# Altium PCB Kojiki 2.PcbDoc (part 1 of 2)
Units mil, origin at the board's own origin, x right, y up, seen from the top; angles counter-clockwise.
Board outline 6000 x 4000 mil, 4 copper layers (Top Layer, Int1 (GND), Int2 (GND), Bottom Layer), stack 53.912 mil thick; 242 components, 161 nets, 893 pads, 0 vias.
Unrouted connection lines stored in the file: 523.
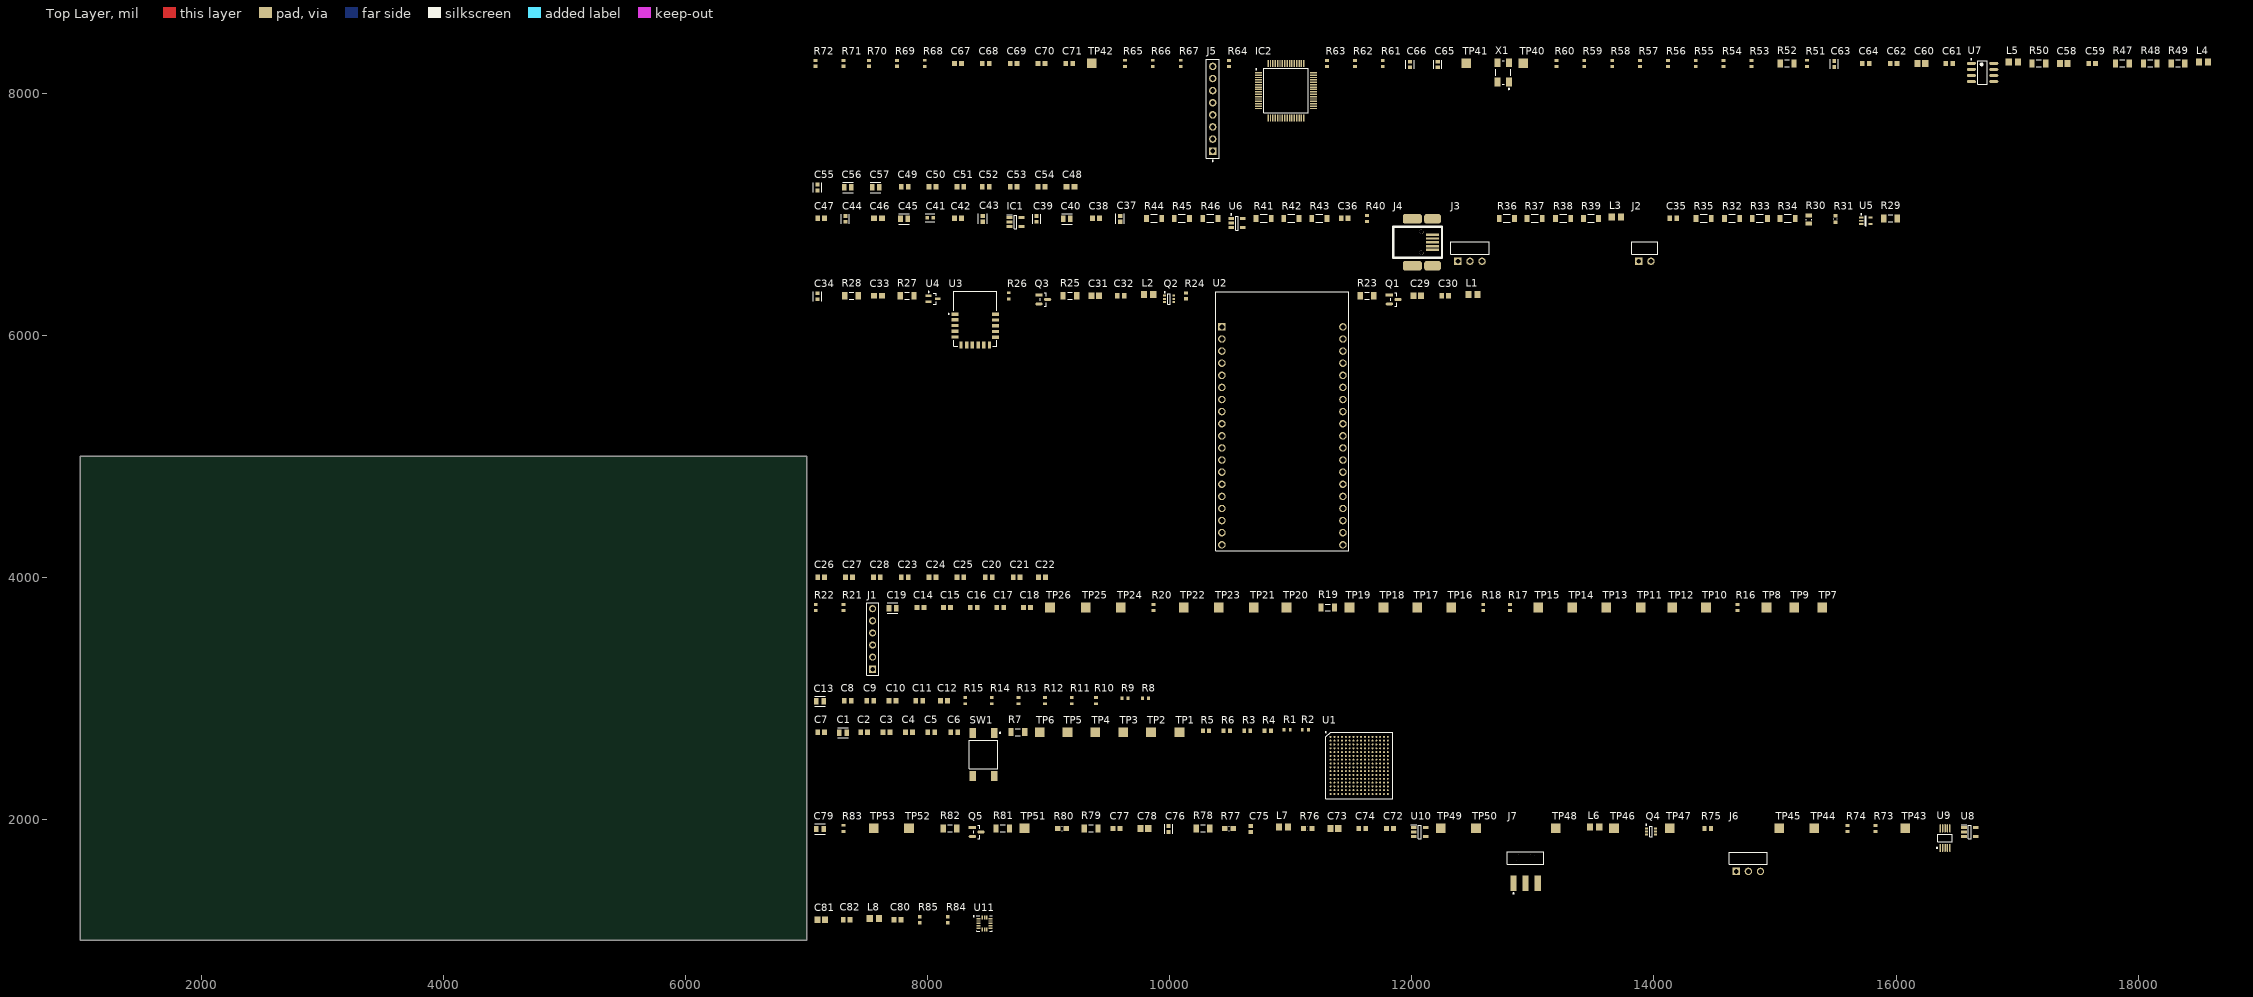
[diagram p0: Top Layer view]
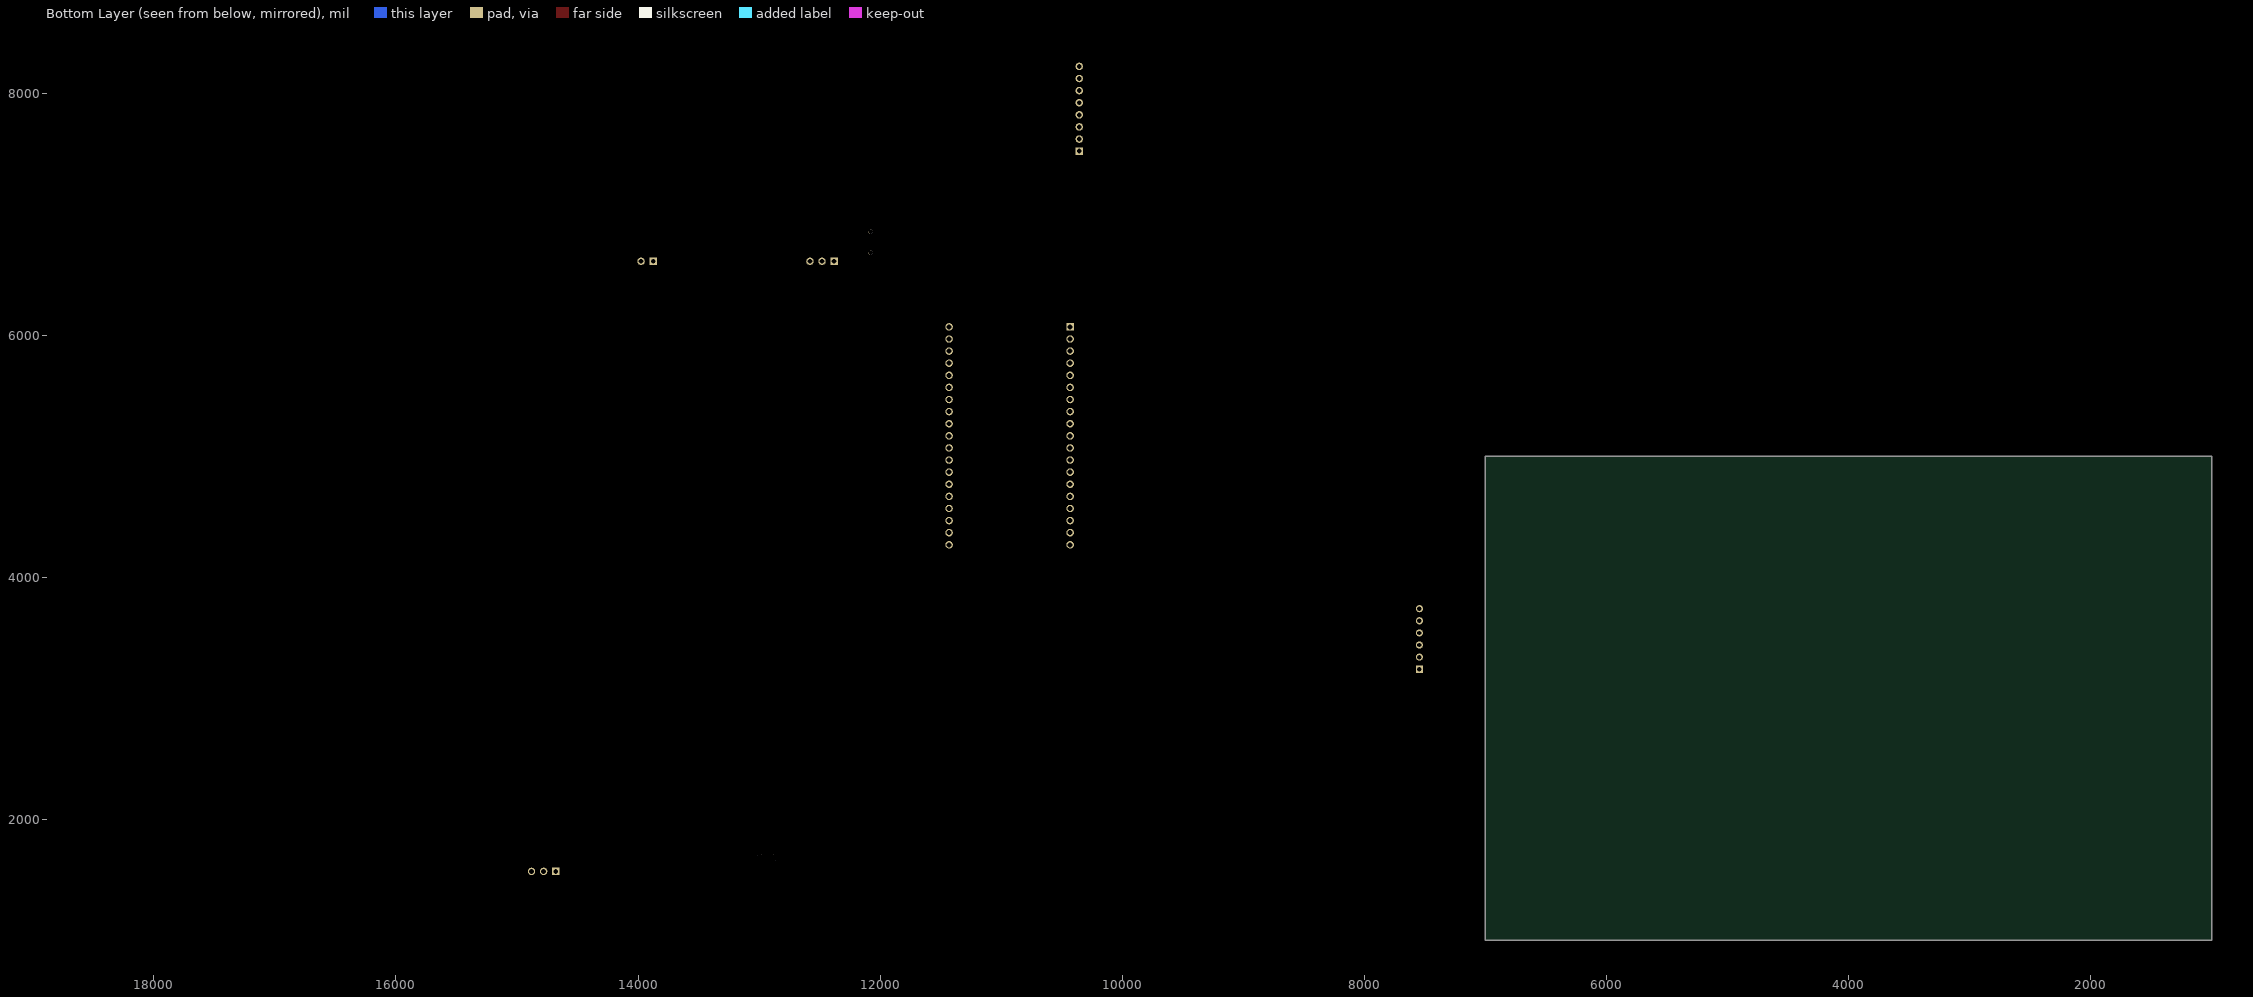
[diagram p1: Bottom Layer view, seen from below]
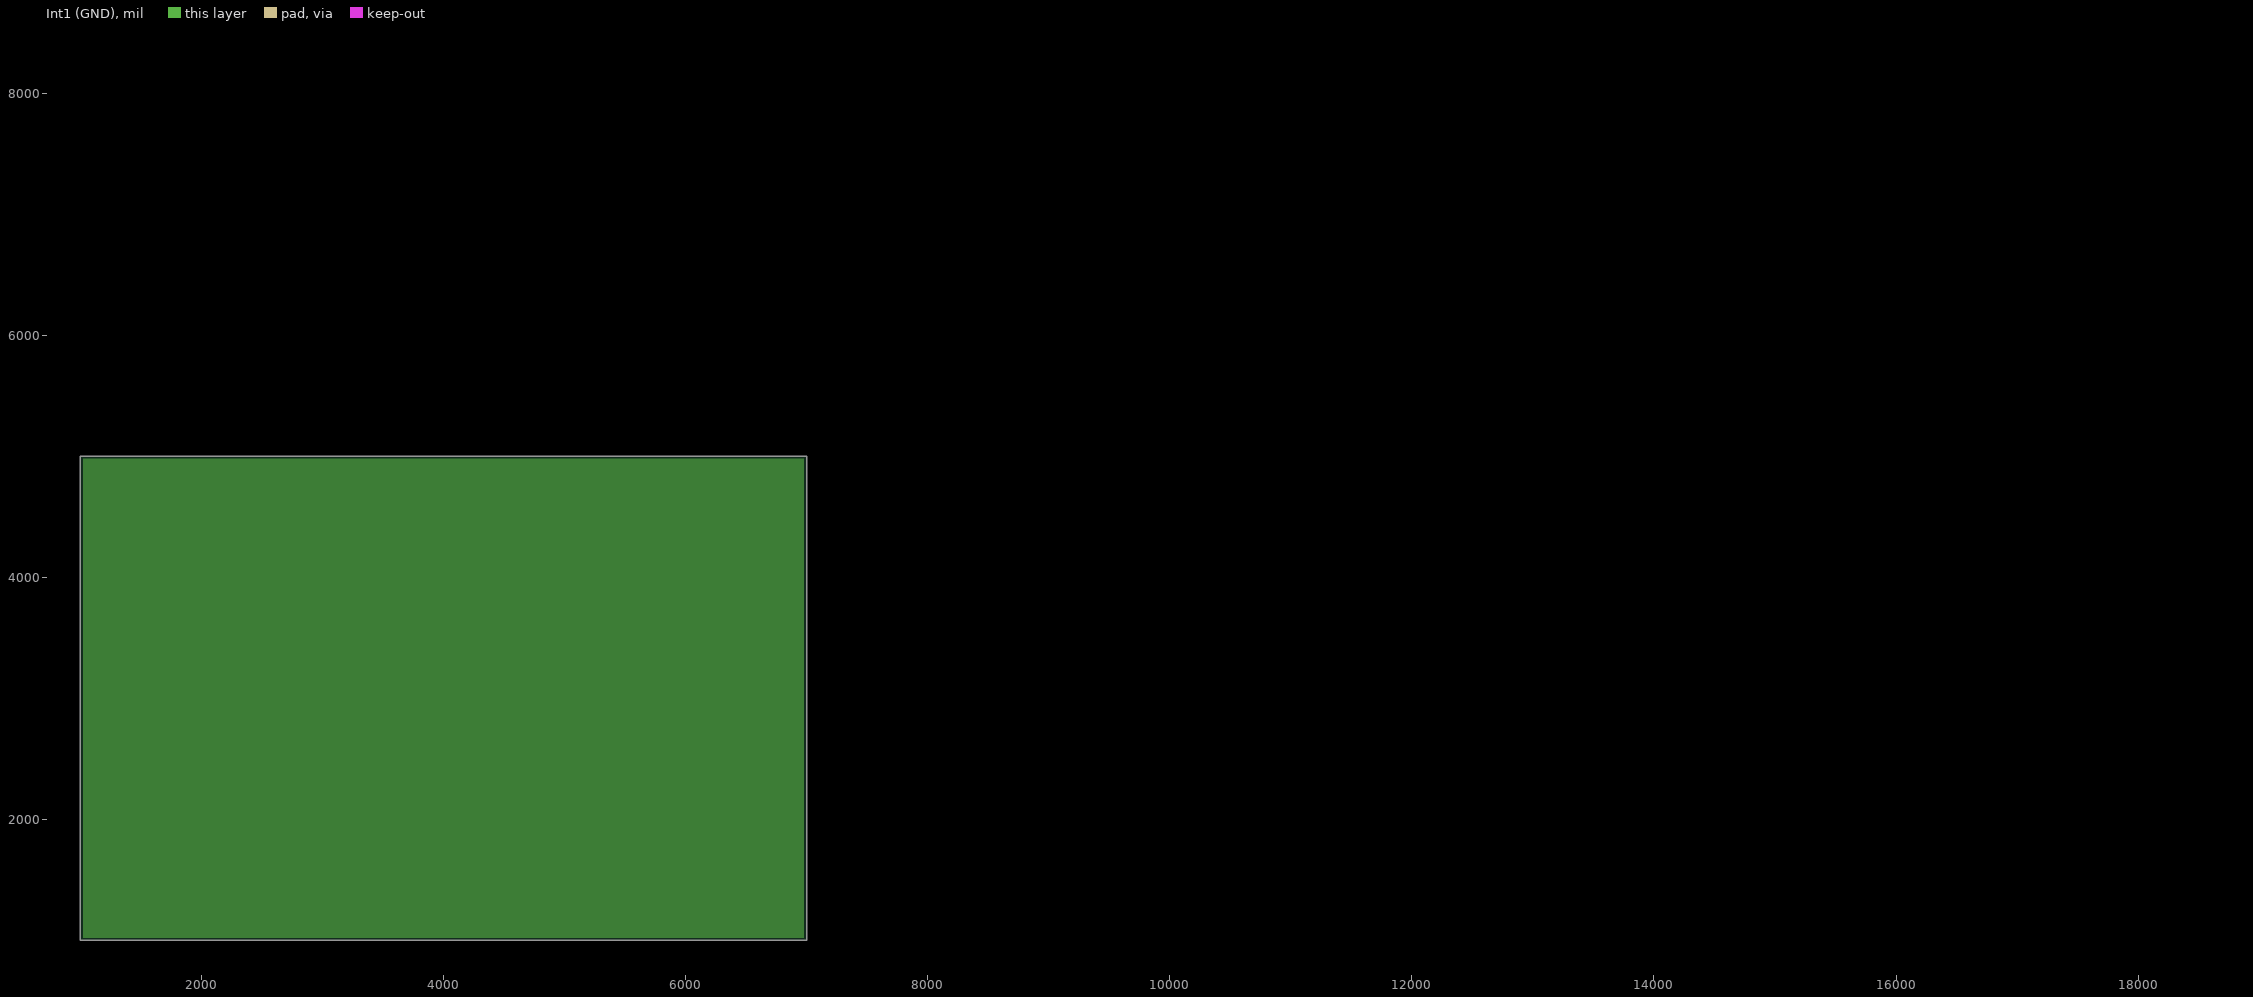
[diagram p2: Int1 (GND), clearances drawn from the general rule]
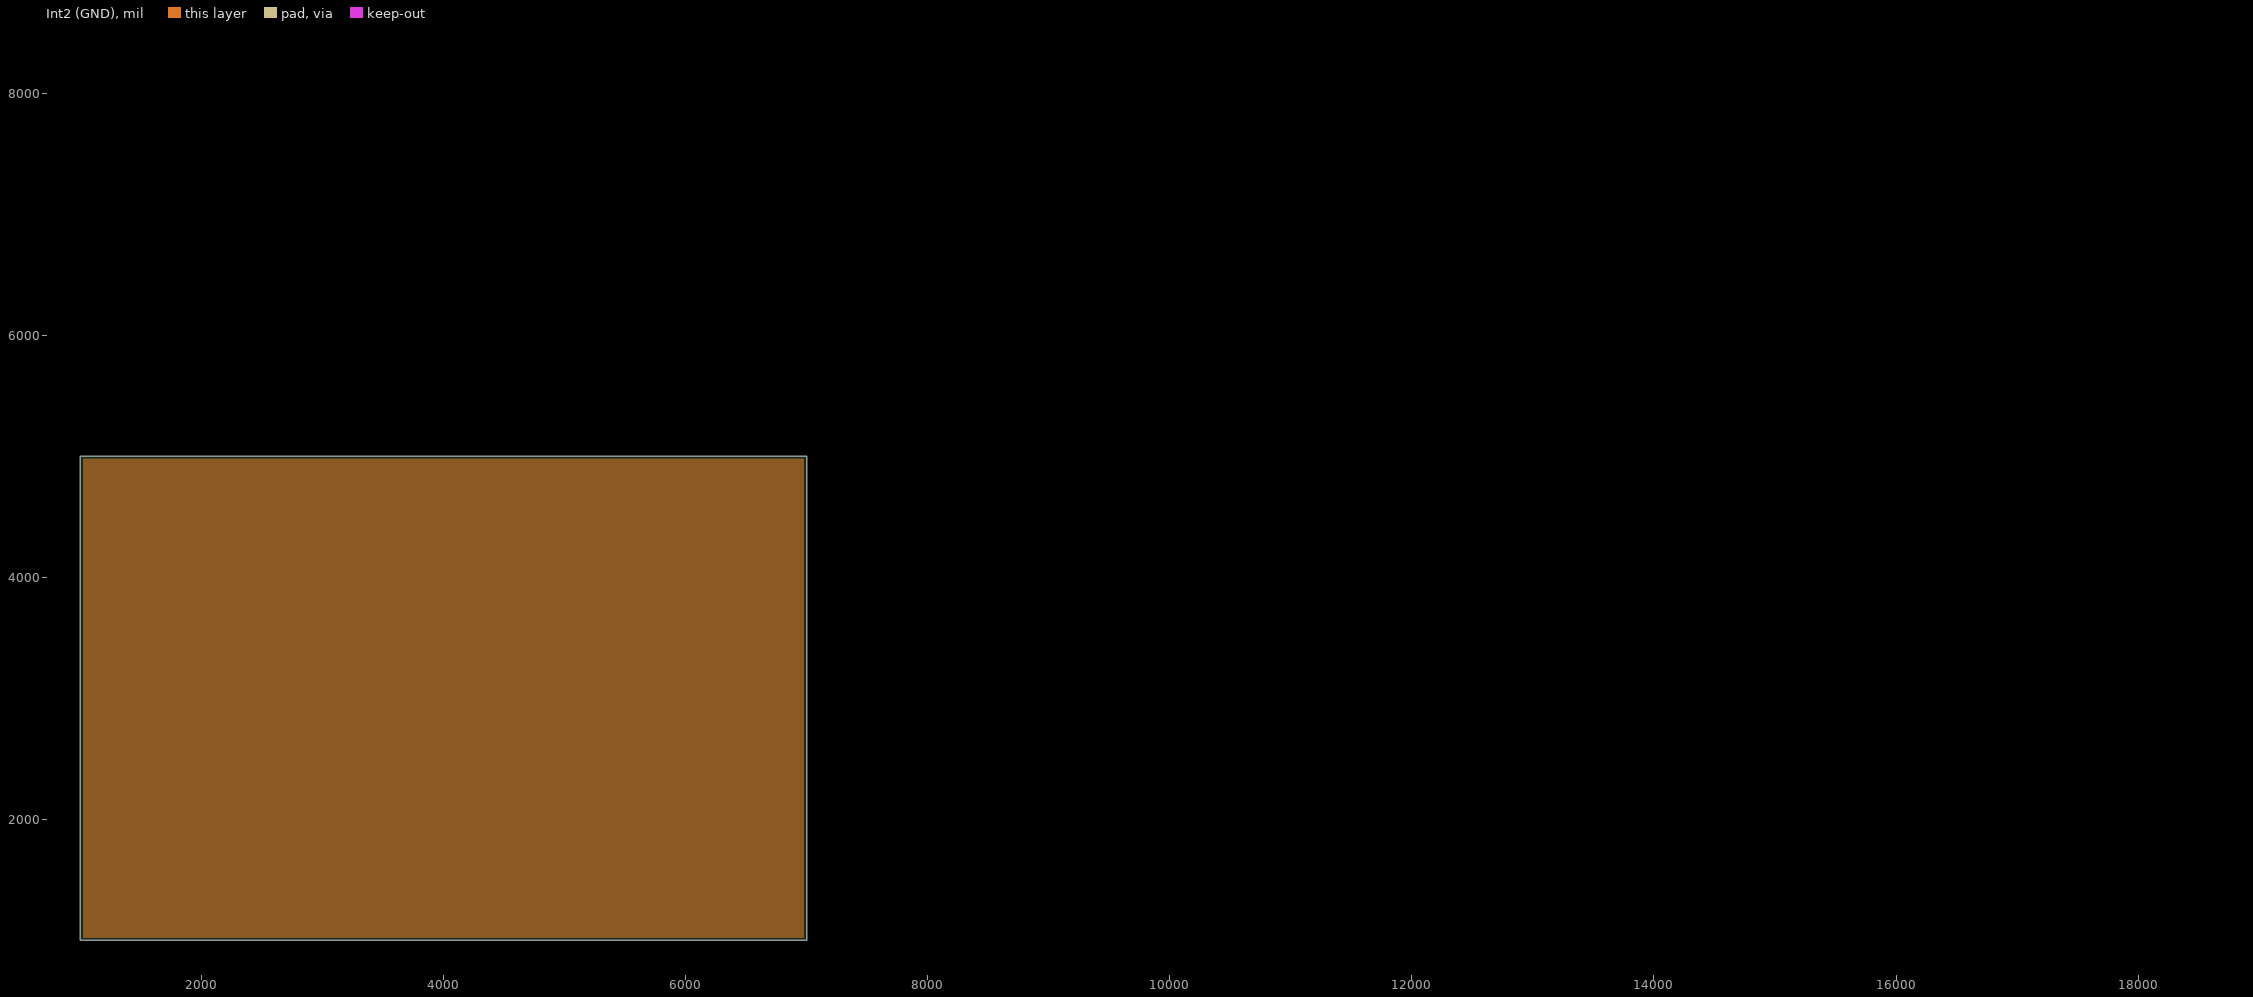
[diagram p3: Int2 (GND), clearances drawn from the general rule]

## Layer stack, top to bottom
Top Solder: solder mask 1, SM-001, Dk 4
Top Layer: signal copper 1.378
Dielectric 1: prepreg 5.1, PP-017, Dk 4.3
Dielectric 2: prepreg 5.1, PP-017, Dk 4.3
Int1 (GND): plane copper 1.378
Dielectric 3: core 28, Core-039, Dk 4.8
Int2 (GND): plane copper 1.378
Dielectric 4: prepreg 5.1, PP-017, Dk 4.3
Dielectric 5: prepreg 5.1, PP-017, Dk 4.3
Bottom Layer: signal copper 1.378
Bottom Solder: solder mask 1, SM-001, Dk 4

## Board outline
1000,1000 7000,1000 7000,5000 1000,5000

## Design rules (kind name [scope] priority, off if disabled: settings)
Clearance [All] p1: gap=10 ignorepadtopadclearanceinfootprint=FALSE except(0: Arc-Hole Track-Hole SMDPad-Hole THPad-Hole Via-Hole Fill-Hole Poly-Hole Region-Hole Text-Hole)
DiffPairsRouting "Schematic Differential Pairs Routing_1" [InNet('D_P')] p1: maxlimit=10 minlimit=10 mostfreqgap=10 toplayer_minwidth=14.33 toplayer_maxwidth=15 toplayer_prefwidth=14.33 bottomlayer_minwidth=14.33 bottomlayer_maxwidth=15 bottomlayer_prefwidth=14.33 impedanceprofiledriven=TRUE impedanceprofileid={8FC0C2BE-2C0A-4D0A-8AD2-7B7F642ADD34} impedanceprofilevalue=90.000000 maxuncoupledlength=500
DiffPairsRouting "Schematic Differential Pairs Routing" [InNet('D_N')] p2: maxlimit=10 minlimit=10 mostfreqgap=10 toplayer_minwidth=14.33 toplayer_maxwidth=15 toplayer_prefwidth=14.33 bottomlayer_minwidth=14.33 bottomlayer_maxwidth=15 bottomlayer_prefwidth=14.33 impedanceprofiledriven=TRUE impedanceprofileid={8FC0C2BE-2C0A-4D0A-8AD2-7B7F642ADD34} impedanceprofilevalue=90.000000 maxuncoupledlength=500
DiffPairsRouting [All] p3: maxlimit=10 minlimit=10 mostfreqgap=10 toplayer_minwidth=15 toplayer_maxwidth=15 toplayer_prefwidth=15 bottomlayer_minwidth=15 bottomlayer_maxwidth=15 bottomlayer_prefwidth=15 maxuncoupledlength=500
PlaneClearance [All] p1: clearance=20
PlaneConnect [All] p1: planeconnectstyle=Relief reliefexpansion=20 reliefentries=4 reliefconductorwidth=10 reliefairgap=10
PolygonConnect [All] p1: connectstyle=Relief reliefconductorwidth=10 reliefentries=4 polygonreliefangle="90 Angle" airgapwidth=10
RoomDefinition usb2jtag [InComponentClass('usb2jtag')] p1: confinementstyle=ConfineIn formatcopy=TRUE lockcomponents=FALSE outline 7045,7420 18615,7420 18615,8395 7045,8395
RoomDefinition Power_Decap [InComponentClass('Power_Decap')] p2: confinementstyle=ConfineIn formatcopy=TRUE lockcomponents=FALSE outline 7045,7165 9290,7165 9290,7375 7045,7375
RoomDefinition DC-DC-Converters [InComponentClass('DC-DC-Converters')] p3: confinementstyle=ConfineIn formatcopy=TRUE lockcomponents=FALSE outline 7045,6520 16055,6520 16055,7115 7045,7115
RoomDefinition bluetooth [InComponentClass('bluetooth')] p4: confinementstyle=ConfineIn formatcopy=TRUE lockcomponents=FALSE outline 7045,4200 12580,4200 12580,6475 7045,6475
RoomDefinition Bank3-4-5_I_O [InComponentClass('Bank3-4-5_I_O')] p5: confinementstyle=ConfineIn formatcopy=TRUE lockcomponents=FALSE outline 7045,3950 9065,3950 9065,4150 7045,4150
RoomDefinition Bank2_I_O [InComponentClass('Bank2_I_O')] p6: confinementstyle=ConfineIn formatcopy=TRUE lockcomponents=FALSE outline 7045,3180 15540,3180 15540,3900 7045,3900
RoomDefinition Bank1_I_O [InComponentClass('Bank1_I_O')] p7: confinementstyle=ConfineIn formatcopy=TRUE lockcomponents=FALSE outline 7045,2920 9885,2920 9885,3130 7045,3130
RoomDefinition Bank0_I_O [InComponentClass('Bank0_I_O')] p8: confinementstyle=ConfineIn formatcopy=TRUE lockcomponents=FALSE outline 7045,2120 11890,2120 11890,2870 7045,2870
RoomDefinition analog_front_end [InComponentClass('analog_front_end')] p9: confinementstyle=ConfineIn formatcopy=TRUE lockcomponents=FALSE outline 7045,1370 16700,1370 16700,2075 7045,2075
RoomDefinition Accelerometer [InComponentClass('Accelerometer')] p10: confinementstyle=ConfineIn formatcopy=TRUE lockcomponents=FALSE outline 7045,1060 8550,1060 8550,1320 7045,1320
RoutingVias [All] p1: holewidth=28 width=50 viastyle="Through Hole" minholewidth=28 minwidth=50 maxholewidth=28 maxwidth=50
SolderMaskExpansion [All] p1: expansion=4 istentingtop=FALSE
Width [All] p1: maxlimit=10 minlimit=10 preferedwidth=10
27 further rules are at their usual default settings.

## Classes and differential pairs
differential pair class USB: D
component class usb2jtag: C58 C59 C60 C61 C62 C63 C64 C65 C66 C67 C68 C69 C70 C71 IC2 J5 L4 L5 R47 R48 R49 R50 R51 R52 R53 R54 R55 R56 R57 R58 R59 R60 R61 R62 R63 R64 R65 R66 R67 R68 R69 R70 R71 R72 TP40 TP41 TP42 U7 X1
component class Power_Decap: C48 C49 C50 C51 C52 C53 C54 C55 C56 C57
component class DC-DC-Converters: C35 C36 C37 C38 C39 C40 C41 C42 C43 C44 C45 C46 C47 IC1 J2 J3 J4 L3 R29 R30 R31 R32 R33 R34 R35 R36 R37 R38 R39 R40 R41 R42 R43 R44 R45 R46 TP30 TP31 TP32 TP33 TP34 TP35 TP36 TP37 TP38 TP39 U5 U6
component class bluetooth: C29 C30 C31 C32 C33 C34 L1 L2 Q1 Q2 Q3 R23 R24 R25 R26 R27 R28 U2 U3 U4
component class Bank3-4-5_I_O: C20 C21 C22 C23 C24 C25 C26 C27 C28
component class Bank2_I_O: C14 C15 C16 C17 C18 C19 J1 R16 R17 R18 R19 R20 R21 R22 TP7 TP8 TP9 TP10 TP11 TP12 TP13 TP14 TP15 TP16 TP17 TP18 TP19 TP20 TP21 TP22 TP23 TP24 TP25 TP26 TP27 TP28 TP29
component class Bank1_I_O: C8 C9 C10 C11 C12 C13 D1 D2 D3 D4 D5 D6 D7 D8 R8 R9 R10 R11 R12 R13 R14 R15
component class Bank0_I_O: C1 C2 C3 C4 C5 C6 C7 R1 R2 R3 R4 R5 R6 R7 SW1 TP1 TP2 TP3 TP4 TP5 TP6 U1
component class analog_front_end: C72 C73 C74 C75 C76 C77 C78 C79 J6 J7 L6 L7 Q4 Q5 R73 R74 R75 R76 R77 R78 R79 R80 R81 R82 R83 TP43 TP44 TP45 TP46 TP47 TP48 TP49 TP50 TP51 TP52 TP53 U8 U9 U10
component class Accelerometer: C80 C81 C82 L8 R84 R85 U11
differential pair D: +D_P -D_N

## Components (designator, comment, footprint, x,y, rotation, side; value= is the part's Value field where it differs from the comment)
C1 "C0805C103K5RACAUTO" FP-C0805C-DN-MFG 7300,2715 r0 top value=10nF
C2 "C0603C104M4RACTU" CAPC1608X87X35ML15T15 7475,2720 r0 top value=0.1uF
C3 "C0603C104M4RACTU" CAPC1608X87X35ML15T15 7660,2720 r0 top value=0.1uF
C4 "C0603C104M4RACTU" CAPC1608X87X35ML15T15 7845,2720 r0 top value=0.1uF
C5 "C0603C104M4RACTU" CAPC1608X87X35ML15T15 8030,2720 r0 top value=0.1uF
C6 "C0603C104M4RACTU" CAPC1608X87X35ML15T15 8220,2720 r0 top value=0.1uF
C7 "C0603C104M4RACTU" CAPC1608X87X35ML15T15 7120,2720 r0 top value=0.1uF
C8 "C0603C104M4RACTU" CAPC1608X87X35ML15T15 7340,2980 r0 top value=0.1uF
C9 "C0603C104M4RACTU" CAPC1608X87X35ML15T15 7525,2980 r0 top value=0.1uF
C10 "C0603C104M4RACTU" CAPC1608X87X35ML15T15 7710,2980 r0 top value=0.1uF
C11 "C0603C104M4RACTU" CAPC1608X87X35ML15T15 7930,2980 r0 top value=0.1uF
C12 "C0603C104M4RACTU" CAPC1608X87X35ML15T15 8135,2980 r0 top value=0.1uF
C13 "C0805C103K5RACAUTO" FP-C0805C-DN-MFG 7110,2975 r0 top value=10nF
C14 "C0603C104M4RACTU" CAPC1608X87X35ML15T15 7940,3750 r0 top value=0.1uF
C15 "C0603C104M4RACTU" CAPC1608X87X35ML15T15 8160,3750 r0 top value=0.1uF
C16 "C0603C104M4RACTU" CAPC1608X87X35ML15T15 8380,3750 r0 top value=0.1uF
C17 "C0603C104M4RACTU" CAPC1608X87X35ML15T15 8600,3750 r0 top value=0.1uF
C18 "C0603C104M4RACTU" CAPC1608X87X35ML15T15 8820,3750 r0 top value=0.1uF
C19 "C0805C103K5RACAUTO" FP-C0805C-DN-MFG 7710,3745 r0 top value=10nF
C20 "C0603C104M4RACTU" CAPC1608X87X35ML15T15 8505,4000 r0 top value=0.1uF
C21 "C0603C104M4RACTU" CAPC1608X87X35ML15T15 8735,4000 r0 top value=0.1uF
C22 "C0603C104M4RACTU" CAPC1608X87X35ML15T15 8945,4000 r0 top value=0.1uF
C23 "C0603C104M4RACTU" CAPC1608X87X35ML15T15 7810,4000 r0 top value=0.1uF
C24 "C0603C104M4RACTU" CAPC1608X87X35ML15T15 8040,4000 r0 top value=0.1uF
C25 "C0603C104M4RACTU" CAPC1608X87X35ML15T15 8270,4000 r0 top value=0.1uF
C26 "C0603C104M4RACTU" CAPC1608X87X35ML15T15 7120,4000 r0 top value=0.1uF
C27 "C0603C104M4RACTU" CAPC1608X87X35ML15T15 7350,4000 r0 top value=0.1uF
C28 "C0603C104M4RACTU" CAPC1608X87X35ML15T15 7580,4000 r0 top value=0.1uF
C29 "C0805C475K9PACTU" CAPC2013X145X50NL20T25 12045,6325 r0 top value=4.7uF
C30 "C0603C104M4RACTU" CAPC1608X87X35ML15T15 12275,6325 r0 top value=0.1uF
C31 "C0805C475K9PACTU" CAPC2013X145X50NL20T25 9385,6325 r0 top value=4.7uF
C32 "C0603C104M4RACTU" CAPC1608X87X35ML15T15 9595,6325 r0 top value=0.1uF
C33 "C0603C105K8RACTU" CAPC1608X90X35ML15T15 7590,6325 r0 top value=1uF
C34 "CL10A106MQ8NNNC" FP-CL10-IPC_C 7090,6320 r90 top value=10uF
C35 "C0603C104M4RACTU" CAPC1608X87X35ML15T15 14160,6965 r0 top value=0.1uF
C36 "C0603C104M4RACTU" CAPC1608X87X35ML15T15 11445,6965 r0 top value=0.1uF
C37 "GRM188R61A226ME15D" FP-GRM188-0_2-IPC_C 9590,6960 r90 top value=22uF
C38 "C0603C104M4RACTU" CAPC1608X87X35ML15T15 9390,6965 r0 top value=0.1uF
C39 "CL10A106MQ8NNNC" FP-CL10-IPC_C 8900,6960 r90 top value=10uF
C40 "C0805C103K5RACAUTO" FP-C0805C-DN-MFG 9150,6960 r0 top value=10nF
C41 "CL10A106MQ8NNNC" FP-CL10-IPC_C 8020,6970 r0 top value=10uF
C42 "C0603C104M4RACTU" CAPC1608X87X35ML15T15 8250,6965 r0 top value=0.1uF
C43 "GRM188R61A226ME15D" FP-GRM188-0_2-IPC_C 8455,6960 r90 top value=22uF
C44 "CL10A106MQ8NNNC" FP-CL10-IPC_C 7320,6960 r90 top value=10uF
C45 "C0805C103K5RACAUTO" FP-C0805C-DN-MFG 7805,6960 r0 top value=10nF
C46 "C0603C105K8RACTU" CAPC1608X90X35ML15T15 7590,6965 r0 top value=1uF
C47 "C0603C104M4RACTU" CAPC1608X87X35ML15T15 7120,6965 r0 top value=0.1uF